# Altium PCB PCB1.PcbDoc (part 2 of 3) (continued)
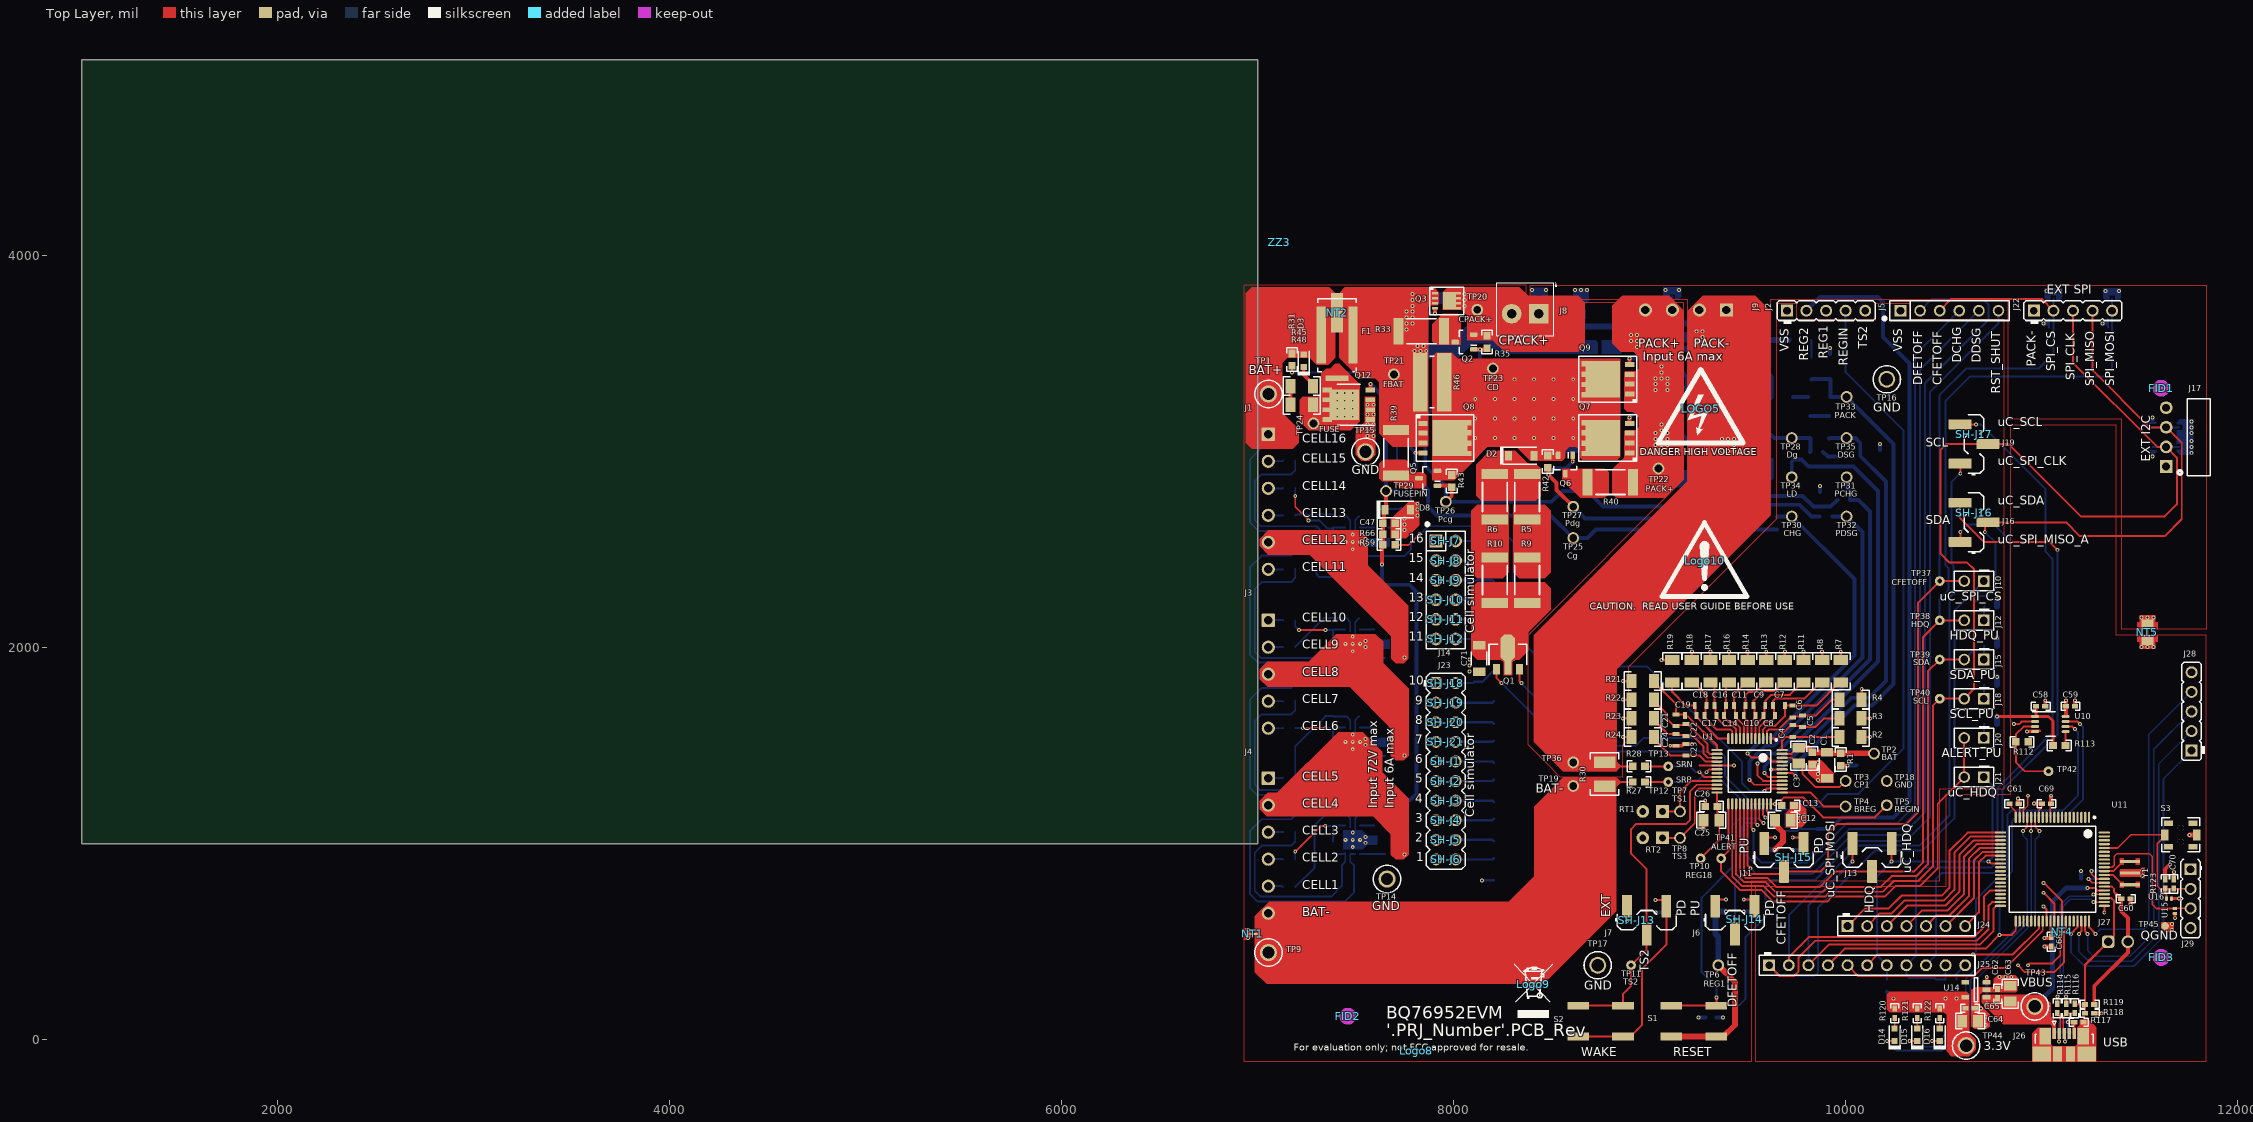
[diagram p0: Top Layer view]
## Nets (pads, with @x,y where several pads share a name; then routed paths per layer and width w, separated by ;. In a path a pad name is that pad's centre, name@x,y a point inside that pad or via, vN(x,y) a via of type N, cw(c..) or ccw(c..) an arc to the next point about the centre after c; other vN are vias at no path point) (continued)
  Bottom Layer w10: J1.6@7053.94,2400.51 7127.99,2400.51 R49.1@7128.5,2400
12P: C32.1 C39.1 J1.5 J14.9 R8.1 R38.1 R41.1 R47.1 U2.7 U2.9 | length 3468
  Top Layer w12: R8.1@9880,1937.09 v1(9880,1980)
  Mid-Layer 2 w10: J1.5@7053.94,2538.31 7342.24,2250 7633.9,2250 7738.9,2145 J14.9@7910,2145 7960,2095 8060,2095 8200,2235 9625,2235 v1(9880,1980)
  Bottom Layer w10: J1.5@7053.94,2538.31 7126.81,2538.31 R47.1@7128.5,2540 ; U2.9@7485,2540 7497.8,2552.8 U2.7@7497.8,2612.83 7497.8,2651.3 C39.1@7516.5,2670
  Bottom Layer w20: R41.1@7716.5,1950 v1(7750,1950)
  other v1: 7550,2525 7550,2555
13P: J1.4 J14.7 R7.1 R37.1 | length 3385.3
  Top Layer w12: R7.1@9975,1937.09 v1(9975,1980)
  Mid-Layer 2 w10: J1.4@7053.94,2676.1 7430.04,2300 7665,2300 7720,2245 J14.7@7910,2245 7960,2195 8080,2195 8150,2265 9690,2265 v1(9975,1980)
  Bottom Layer w10: J1.4@7053.94,2676.1 7127.4,2676.1 R37.1@7128.5,2675
14P: J1.3 J14.5 R4.1 R36.1 | length 3714.5
  Top Layer w12: R4.1@10082.09,1735 v1(10082.09,1790)
  Mid-Layer 2 w10: J1.3@7053.94,2813.9 7150,2717.83 7150,2660 7465,2345 J14.5@7910,2345 7960,2295 9745,2295 10082.09,1957.91 v1(10082.09,1790)
  Bottom Layer w10: J1.3@7053.94,2813.9 7127.4,2813.9 R36.1@7128.5,2815
15P: J1.2 J14.3 R3.1 R34.1 | length 3950.9
  Top Layer w12: R3.1@10082.09,1640 v1(10125,1640)
  Mid-Layer 2 w10: J1.2@7053.94,2951.69 7165.63,2840 7349.21,2840 7638.5,2550.71 7638.5,2496.5 7690,2445 J14.3@7910,2445 7960,2395 8085,2395 8155,2325 9757.43,2325 10125,1957.43 v1(10125,1640)
  Bottom Layer w10: J1.2@7053.94,2951.69 7125.2,2951.69 R34.1@7128.5,2955
16P: D1.2 D3.2 F1.1 J1.1 J14.1 NT2.2 R2.1 R31.1 R32.1 TP1.1 | length 4204.5
  Top Layer w12: R2.1@10082.09,1545 v1(10125,1545)
  Mid-Layer 2 w10: J1.1@7053.94,3089.49 7248.43,2895 7375,2895 7725,2545 J14.1@7910,2545 7960,2495 8085.32,2495 8225.32,2355 9769.85,2355 10165,1959.85 10165,1585 v1(10125,1545)
  Bottom Layer w10: J1.1@7053.94,3089.49 7127.99,3089.49 R32.1@7128.5,3090 ; D1.2@10055,1529.47 10109.47,1529.47 v1(10125,1545)
ALERT: J20.2 J21.2 TP41.1 U1.25 | length 2319.4
  Top Layer w10: U1.25@9401.73,1203.66 9401.73,961.73 TP41.1@9365,925 9365,860 9460,765 9570,765 9630,705 9905,705 9930,730 10200,730 10255,785 10380,785 10470,875 10470,1205 J21.2@10605,1340 J20.2@10605,1540
BAT-: J4.6 NT1.2 R24.1 R27.1 R30.2 R108.1 TP9.1 TP19.1 | length 2480.1
  Top Layer w10: 8840,1315 R27.1@8913.5,1315
  Top Layer w12: v1(8865,1545) R24.1@8907.91,1545
  Mid-Layer 2 w10: J4.6@7053.94,645.51 7655.51,645.51 7822.91,812.91 v1(8145,812.91) 8337.91,812.91 8770,1245 8770,1450 v1(8865,1545)
  Bottom Layer w12: v1(8145,812.91) R108.1@8205,812.91
BREG: Q1.1 TP4.1 U1.37 | length 2510.2
  Top Layer w10: Q1.1@8217.6,1890.2 8217.6,1847.4 v1(8245,1820) ; U1.37@9676.34,1261.73 9818.27,1261.73 9890,1190 TP4.1@10000,1190
  Bottom Layer w10: v1(8245,1820) 8595,1470 9300,1470 9355,1415 9355,1335 9515,1175 9775,1175 9790,1190 TP4.1@10000,1190
CD: D2.2 Q5.2 Q6.2 Q7.5 Q7.6 Q7.7 Q7.8 Q7.9 Q8.5 Q8.6 Q8.7 Q8.8 Q8.9 Q9.5 Q9.6 Q9.7 Q9.8 Q9.9 R42.1 R43.1 R46.2 TP23.1
  other v1: 8110,3070 8210,3070 8310,3070 8410,3070 8510,3070 8610,3070 8110,3170 8210,3170 8310,3170 8410,3170 8510,3170 8610,3170 8110,3270 8210,3270 8310,3270 8410,3270 8510,3270 8610,3270 8210,3370 8310,3370 8410,3370 8510,3370 8610,3370
CFETOFF: E3.1 J5.3 J10.2 J11.2 J22.2 TP37.1 U1.29 U6.1 | length 5338.2
  Top Layer w10: U1.29@9480.47,1203.66 9480.47,864.53 9500,845 9670.87,845 J11.2@9685,859.14 9874.14,859.14 9910,895 9910,1055 9955,1100 10310,1100 10370,1160 10370,2230 TP37.1@10480,2340 J10.2@10605,2340 ; J5.3@10480,3720 10540,3780 11000,3780 J22.2@11060,3720
  Bottom Layer w10: TP37.1@10480,2340 10480,3290 10615,3425 10985,3425 11059.8,3499.8 U6.1@11059.8,3655 11059.8,3719.8 J22.2@11060,3720 E3.1@11060,3780
CHG: R61.1 TP30.1 U1.45 | length 1864.3
  Top Layer w10: v1(9500,1460) 9520,1440 9604.21,1440 9625,1419.21 U1.45@9676.34,1419.21
  Bottom Layer w20: v1(9500,1460) 9580,1540 9625,1540 10045,1960 10045,2350 TP30.1@9725,2670 9653.5,2670 R61.1@9650,2666.5
CPACK+: C30.1 C34.1 E1.1 J8.1 J8.2 Q2.2 Q3.5 Q3.6 Q3.7 Q3.8 Q3.9 R35.1 R71.1 TP20.1 | length 2629
  Bottom Layer w30: 8559,3640 8526,3673 8559,3640 ; 8559,3640 8965,3640 ; 8559,3640 8965,3640 ; 8965,3640 9080,3525 ; 8965,3640 9080,3525 ; 9080,3525 9195,3525 ; 9080,3525 9195,3525 ; 9195,3525 9275,3445 ; 9195,3525 9275,3445 ; 9275,3445 9555,3445 ; 9275,3445 9555,3445 ; 9555,3445 9617.91,3382.09 ; 9555,3445 9617.91,3382.09 ; 9617.91,3382.09 R71.1@9617.91,3280 9617.91,3382.09
  other v1: 8055,3745 8055,3775 8055,3805
DCHG: J5.4 U1.31 | length 3841.2
  Top Layer w10: U1.31@9519.84,1203.66 9519.84,1080.16 v1(9530,1070)
  Bottom Layer w10: v1(9530,1070) 9530,945 9570,905 9805,905 10005,1105 10262.43,1105 10355,1197.57 10355,3495 J5.4@10580,3720
DDSG: J5.5 U1.32 | length 4066
  Top Layer w10: U1.32@9539.53,1203.66 9539.53,1105.47 v1(9550,1095)
  Bottom Layer w10: v1(9550,1095) 9540,1105 9485,1105 9470,1090 9470,965.28 9560.28,875 9817.43,875 10017.43,1075 10274.85,1075 10380,1180.15 10380,3420 J5.5@10680,3720
DFETOFF: J5.2 J6.2 U1.30 | length 4848.6
  Top Layer w10: J6.2@9435,539.14 v1(9435,615) ; U1.30@9500.16,1203.66 9500.16,889.84 v1(9515,875)
  Bottom Layer w10: v1(9435,615) 9435,795 v1(9515,875) 9545,845 9830,845 10030,1045 10290,1045 10405,1160 10405,3350 10730,3675 10730,3750 10700,3780 10440,3780 J5.2@10380,3720
DM: R114.2 U11.64 | length 756.7
  Top Layer w7: R114.2@11080,183.62 v1(11080,220) ; v1(11265,742.05) U11.64@11319.76,742.05
  Bottom Layer w7: v1(11080,220) 11095,235 11095,686.21 11139.79,731 11253.95,731 v1(11265,742.05)
DP: R115.2 U11.62 | length 732.8
  Top Layer w7: R115.2@11125,183.62 v1(11125,220) ; v1(11265,702.68) U11.62@11319.76,702.68
  Bottom Layer w7: v1(11125,220) 11110,235 11110,680 11146,716 11251.68,716 v1(11265,702.68)
DSG: D9.1 D10.1 R68.1 TP35.1 U1.43 | length 2267.9
  Top Layer w10: v1(9620,1379.84) U1.43@9676.34,1379.84
  Bottom Layer w20: v1(9620,1379.84) 9665,1379.84 10030.16,1745 10120,1745 10205,1830 10205,2848 10074.47,2978.53 10074.47,3045.53 10050,3070 TP35.1@10005,3070 9917.09,3070 R68.1@9915,3067.91
EXTTS2: J2.5 J7.1 | length 5236.3
  Top Layer w10: v1(8885.01,605.01) J7.1@8885,680.87
  Mid-Layer 2 w10: v1(8885.01,605.01) 8985.02,505 9410,505 9600,695 10235,695 10815,1275 10815,3225 10400,3640 10180,3640 J2.5@10100,3720
FBAT: C29.2 C37.2 D4.2 F1.3 NT2.1 Q3.1 Q3.2 Q3.3 Q8.1 Q8.2 Q8.3 R33.1 R39.1 R46.1 R50.1 TP21.1
  other v1: 7800,3515 7830,3515 7860,3515 7815,3540 7845,3540 7760,3625 7760,3655 7790,3655 7760,3685 7790,3685 7760,3715 7790,3715 7790,3745 7790,3775 7790,3805
FUSE: R59.2 U1.38 | length 2915.5
  Top Layer w10: R59.2@7701.5,2525 7770,2525 v1(7825,2580) ; v1(9585,1270) 9596.42,1281.42 U1.38@9676.34,1281.42
  Bottom Layer w10: v1(7825,2580) 7830,2580 7870,2620 8225.94,2620 8305,2540.94 8305,2075 8475,1905 8985,1905 9470,1420 9470,1310 9510,1270 v1(9585,1270)
HDQ: E5.1 J12.2 J13.2 J22.5 TP38.1 U1.28 U8.1 | length 5179.6
  Top Layer w10: U1.28@9460.79,1203.66 9460.79,854.21 9489.49,825.51 9599.49,825.51 9645,780 9870,780 9949.13,859.13 J13.2@10135,859.13 10349.13,859.13 10395,905 10395,2055 TP38.1@10480,2140 J12.2@10605,2140
  Bottom Layer w10: TP38.1@10480,2140 10480,2250 10525,2295 10525,2405 10510,2420 10510,3260 10635,3385 11320,3385 11359.8,3424.8 U8.1@11359.8,3655 11359.8,3719.8 J22.5@11360,3720 E5.1@11360,3780
LD: D12.1 R76.2 TP34.1 U1.41 | length 2395.2
  Top Layer w10: v1(9585,1360) 9604.53,1340.47 U1.41@9676.34,1340.47
  Bottom Layer w20: v1(9585,1360) 9585,1395 9610,1420 9655,1420 10165,1930 10165,2800 10040,2925 9810,2925 9775,2960 R76.2@9737.09,2960 9725,2947.91 TP34.1@9725,2870
LED1: D14.1 U11.15 | length 1746.4
  Top Layer w8: v1(10210,-6.5) D14.1@10250,-6.5 ; U11.15@10966.42,1134.76 10966.42,1087.05 v1(10988.46,1065)
  Bottom Layer w8: v1(10210,-6.5) 10258.5,-55 10491.56,-55 10660,113.44 10660,302 10967,609 10967,1020 10988.46,1041.46 v1(10988.46,1065)
LED2: D15.1 U11.16 | length 1568
  Top Layer w8: v1(10325,-6.5) D15.1@10365,-6.5 ; v1(10946.73,1065) U11.16@10946.73,1134.76
  Bottom Layer w8: v1(10325,-6.5) 10353.5,-35 10476.56,-35 10637.28,125.73 10637.28,307.57 10947,617.28 v1@10947,1065
LED3: D16.1 U11.17 | length 1420.9
  Top Layer w8: v1(10440,-6.5) D16.1@10480,-6.5 ; v1(10905,1065) 10927.05,1087.05 U11.17@10927.05,1134.76
  Bottom Layer w8: v1(10440,-6.5) 10473.5,-6.5 10612.28,132.28 10612.28,310.85 10927,625.57 10927,1020 10905,1042 v1(10905,1065)
NetC1_1: C1.1 C2.1 C3.1 R1.1 TP2.1 U1.47 | length 494.5
  Top Layer w10: U1.47@9676.34,1458.58 9723.58,1458.58 9755,1490 C3.1@9760,1490
  Top Layer w30: C3.1@9760,1490 9806.5,1490 C2.1@9830,1466.5 9904.57,1466.5 C1.1@9905,1466.93 9910.43,1461.5 R1.1@9975,1461.5 10143.5,1461.5 TP2.1@10145,1460
NetC3_2: C3.2 TP3.1 U1.46 | length 418.3
  Top Layer w10: U1.46@9676.34,1438.9 9724.1,1438.9 9753,1410 C3.2@9760,1410 9780,1390 9780,1355 9845,1290 9970,1290 TP3.1@10000,1320
NetC25_2: C25.2 C26.1 TP10.1 U1.24 | length 380.8
  Top Layer w10: TP10.1@9260,925 9355,1020 C25.2@9355,1120 9346.5,1128.5 C26.1@9346.5,1190 9343.66,1192.83 U1.24@9343.66,1261.73
NetC29_1: C29.1 C30.2
NetC31_1: C31.1 C33.2 R34.2 U2.4 | length 1150.2
  Bottom Layer w10: R34.2@7191.5,2955 7191.5,2906.5 7170,2885 7020,2885 6985,2850 6985,2650 7015,2620 7300,2620 7330,2590 7330,2485 7346.5,2468.5 C33.2@7385,2468.5 ; C33.2@7385,2467.17 U2.4@7446.61,2467.17 ; C31.1@7428.5,2410 7446.61,2428.11 U2.4@7446.61,2467.17 ; U2.4@7446.61,2476 U2.4@7446.61,2467.17
NetC31_2: C31.2 R32.2 U2.2 U2.3 | length 1527.9
  Bottom Layer w10: R32.2@7191.5,3090 7191.5,3041.5 7170,3020 7020,3020 6960,2960 6960,2640 7005,2595 7280,2595 7300,2575 7300,2375 7315,2360 7475,2360 7491.5,2376.5 C31.2@7491.5,2410 7472.2,2429.29 U2.3@7472.2,2467.17 ; U2.3@7473,2467.17 U2.2@7497,2467.17
NetC32_2: C32.2 R31.2 U2.1 | length 1705.9
  Top Layer w10: v1(7175,3405) R31.2@7175,3438.5
  Bottom Layer w10: v1(7175,3405) 7590,3405 7710,3285 7710,2900 7783,2827 7783,2503 7747.17,2467.17 U2.1@7522.4,2467.17
NetC33_1: C33.1 C35.2 R36.2 U2.5 | length 474.2
  Top Layer w10: v1(7191.5,2775) 7191.5,2718.5 v1(7260,2650)
  Bottom Layer w10: v1(7191.5,2775) R36.2@7191.5,2815 ; v1(7260,2650) 7315,2650 7356.5,2608.5 C35.2@7385,2608.5 C33.1@7385,2531.5 ; C35.2@7385,2612.83 U2.5@7446.61,2612.83
NetC34_2: C34.2 C36.1
NetC35_1: C35.1 C39.2 R37.2 U2.6 | length 342
  Bottom Layer w10: R37.2@7191.5,2675 7196.5,2680 7376.5,2680 C35.1@7385,2671.5 7386.5,2670 C39.2@7453.5,2670 7472.2,2651.3 U2.6@7472.2,2604
NetC37_1: C37.1 C38.2
NetC40_1: C40.1 C43.2 R49.2 U3.4 | length 1146.6
  Bottom Layer w10: R49.2@7191.5,2405 7191.5,2356.5 7170,2335 7020,2335 6985,2300 6985,1980 7016.5,1948.5 C43.2@7385,1948.5 ; C43.2@7385,1947.17 U3.4@7446.61,1947.17 ; C40.1@7428.5,1890 7446.61,1908.11 U3.4@7446.61,1947.17 ; U3.4@7446.61,1956 U3.4@7446.61,1947.17
NetC40_2: C40.2 R47.2 U3.2 U3.3 | length 1471.5
  Bottom Layer w10: R47.2@7191.5,2540 7191.5,2491.5 7170,2470 7020,2470 6960,2410 6960,1965 7000,1925 7230,1925 7315,1840 7475,1840 7491.5,1856.5 C40.2@7491.5,1890 7472.2,1909.29 U3.3@7472.2,1947.17 ; U3.3@7473,1947.17 U3.2@7497,1947.17
NetC41_2: C41.2 R41.2 U3.1 | length 128.2
  Bottom Layer w10: U3.1@7522.4,1947.17 R41.2@7650.57,1947.17
NetC42_2: C42.2 C45.1
NetC43_1: C43.1 C44.2 R53.2 U3.5 | length 371.9
  Top Layer w10: v1(7210,2090) v1(7345,2090)
  Bottom Layer w10: R53.2@7191.5,2140 7191.5,2108.5 v1(7210,2090) ; v1(7345,2090) 7383.5,2090 C44.2@7385,2088.5 C43.1@7385,2011.5 ; C44.2@7385,2092.83 U3.5@7446.61,2092.83
NetC44_1: C44.1 C46.2 R54.2 U3.6 | length 397.1
  Bottom Layer w10: R54.2@7191.5,2005 7337.99,2151.5 C44.1@7385,2151.5 7386.5,2150 C46.2@7453.5,2150 7472.2,2131.3 U3.6@7472.2,2084
NetC47_2: C47.2 D8.1 D13.3 Q12.4 R44.2 R59.1 R60.2 R66.2 R80.2 TP29.1 | length 2585.5
  Top Layer w20: Q12.4@7574.5,3315 v1(7574.5,3345) ; v1(7635,2425) 7635,2521.5 R59.1@7638.5,2525 R66.2@7638.5,2580 C47.2@7638.5,2635 7645,2641.5 7645,2699.47 D8.1@7650.53,2705 7655,2709.47 TP29.1@7655,2800
  Bottom Layer w20: v1(7574.5,3345) 7655,3264.5 TP29.1@7655,2800 7706.5,2800 R44.2@7730,2776.5 ; v1(7635,2425) R60.2@7635,2321.5 7773.5,2321.5 7810,2285 7810,1255 7777.4,1222.4 D13.3@7638,1222.4
NetC48_1: C48.1 C50.2 R72.2 U4.4 | length 1290.7
  Bottom Layer w10: R72.2@7191.5,1730 7191.5,1681.5 7170,1660 7020,1660 6985,1625 6985,1300 7010,1275 7400,1275 7428.5,1303.5 C48.1@7428.5,1390 7446.61,1408.11 U4.4@7446.61,1447.17 ; C50.2@7385,1447.17 U4.4@7446.61,1447.17 ; U4.4@7446.61,1456 U4.4@7446.61,1447.17
NetC48_2: C48.2 R69.2 U4.2 U4.3 | length 1511.7
  Bottom Layer w10: R69.2@7191.5,1865 7191.5,1816.5 7170,1795 7020,1795 6960,1735 6960,1285 6995,1250 7445,1250 7491.5,1296.5 C48.2@7491.5,1390 7472.2,1409.29 U4.3@7472.2,1447.17 ; U4.3@7473,1447.17 U4.2@7497,1447.17
NetC49_2: C49.2 R67.2 U4.1 | length 128.2
  Bottom Layer w10: U4.1@7522.4,1447.17 R67.2@7650.57,1447.17
NetC50_1: C50.1 C51.2 R75.2 U4.5 | length 332.7
  Top Layer w10: v1(7231.5,1590) v1(7345,1590)
  Bottom Layer w10: R75.2@7191.5,1590 v1(7231.5,1590) ; v1(7345,1590) 7383.5,1590 C51.2@7385,1588.5 C50.1@7385,1511.5 ; C51.2@7385,1592.83 U4.5@7446.61,1592.83
NetC51_1: C51.1 C52.2 R78.2 U4.6 | length 562.1
  Bottom Layer w10: R78.2@7191.5,1335 7191.5,1496.5 7346.5,1651.5 C51.1@7385,1651.5 7386.5,1650 C52.2@7453.5,1650 7472.2,1631.3 U4.6@7472.2,1584
NetC53_1: C53.1 C55.2 R84.2 U5.4 | length 1193.1
  Bottom Layer w10: R84.2@7191.5,1060 7191.5,1011.5 7170,990 7020,990 6985,955 6985,760 7015,730 7375,730 7430,785 7430,891.5 7446.61,908.11 U5.4@7446.61,947.17 ; C55.2@7385,947.17 U5.4@7446.61,947.17 ; U5.4@7446.61,956 U5.4@7446.61,947.17
NetC53_2: C53.2 R83.2 U5.2 U5.3 | length 1428.7
  Bottom Layer w10: R83.2@7191.5,1195 7191.5,1146.5 7170,1125 7020,1125 6960,1065 6960,745 7000,705 7445,705 7491.5,751.5 C53.2@7491.5,890 7472.2,909.29 U5.3@7472.2,947.17 ; U5.3@7473,947.17 U5.2@7497,947.17
NetC54_2: C54.2 R81.2 U5.1 | length 128.2
  Bottom Layer w10: U5.1@7522.4,947.17 R81.2@7650.57,947.17
NetC55_1: C55.1 C56.2 R85.2 U5.5 | length 426.6
  Top Layer w10: v1(7191.5,960) 7321.5,1090 v1(7345,1090)
  Bottom Layer w10: R85.2@7191.5,920 v1(7191.5,960) ; v1(7345,1090) 7383.5,1090 C56.2@7385,1088.5 C55.1@7385,1011.5 ; C56.2@7385,1092.83 U5.5@7446.61,1092.83
NetC56_1: C56.1 C57.2 R86.2 U5.6 | length 617.1
  Bottom Layer w10: R86.2@7191.5,780 7290,878.5 7290,1095 7346.5,1151.5 C56.1@7385,1151.5 7386.5,1150 C57.2@7453.5,1150 7472.2,1131.3 U5.6@7472.2,1084
NetC61_1: C61.1 U11.20 | length 83.3
  Top Layer w8: C61.1@10836.38,1205 10845,1196.38 10845,1188.15 10867.99,1165.16 U11.20@10867.99,1134.76
NetC67_1: C67.1 U11.67 | length 129.1
  Top Layer w10: v1(11240,820) 11258.9,801.1 U11.67@11319.76,801.1
  Bottom Layer w10: v1(11240,820) 11276.38,820 C67.1@11280,816.38
NetC71_1: C71.1 Q1.2 Q1.4 R9.1 R10.1
NetD1_1: D1.1 R1.2 | length 80.8
  Top Layer w20: R1.2@9975,1398.5 v1(10010,1398.5)
  Bottom Layer w20: v1(10010,1398.5) 10052.97,1398.5 D1.1@10055,1400.53
NetD2_1: D2.1 R5.2 R6.2
NetD3_1: D3.1 R45.2 | length 118
  Top Layer w20: D3.1@7235,3433.5 7235,3392.91 7282.09,3345.83 R45.2@7282.09,3335
NetD4_1: D4.1 Q3.4 Q8.4 R50.2 R61.2 TP25.1 | length 3077.7
  Top Layer w20: v1(7805,2995) Q8.4@7843.78,2995 ; v1(7904.47,3705.53) Q3.4@7904.47,3728
  Bottom Layer w20: v1(7904.47,3705.53) 7870,3705.53 7861.5,3697.03 R50.2@7861.5,3625 7861.5,3591.5 7850,3580 7780,3580 7760,3560 7760,3040 v1(7805,2995) 7805,2870.35 7870,2805.35 7870,2720 7915,2675 8495,2675 TP25.1@8610,2560 8683.5,2560 8727.01,2603.5 R61.2@9650,2603.5
NetD5_1: D5.1 Q10.3 R51.2 R55.2 R56.2 R64.2 R65.2 TP28.1 | length 1333.7
  Bottom Layer w20: R55.2@9031.5,3195 9031.5,3251.5 9052.4,3272.4 Q10.3@9125,3272.4 9189.47,3336.87 D5.1@9189.47,3340 ; R56.2@9031.5,3480 9140,3480 9156.5,3463.5 R51.2@9156.5,3415 9189.47,3382.03 D5.1@9189.47,3340 ; R65.2@9818.5,3000 9820,3001.5 R64.2@9820,3067.91 9817.91,3070 TP28.1@9725,3070 9635,3070 9365,3340 D5.1@9189.47,3340
NetD6_1: D6.1 Q10.1 R52.2 R57.1 | length 283.7
  Bottom Layer w20: Q10.1@9150.59,3205 9150.59,3145.91 R52.2@9156.5,3140 9156.5,3097.98 D6.1@9189.47,3065 9309.99,3065 R57.1@9315,3070.02
NetD7_1: D7.1 R57.2 | length 88
  Bottom Layer w20: R57.2@9315,3133.01 9358.54,3133.01 D7.1@9390,3164.47
NetD9_2: D9.2 R65.1 | length 74.4
  Bottom Layer w20: R65.1@9884.43,3000 9909.43,2975 D9.2@9948.46,2975
NetD13_1: D13.1 R82.2 | length 54.3
  Bottom Layer w10: R82.2@7656.5,1095 7660.59,1099.09 D13.1@7660.59,1147.6
NetD14_2: D14.2 R120.1 | length 54.9
  Top Layer w8: D14.2@10250,56.5 R120.1@10250,111.38
NetD15_2: D15.2 R121.1 | length 54.9
  Top Layer w8: D15.2@10365,56.5 R121.1@10365,111.38
NetD16_2: D16.2 R122.1 | length 54.9
  Top Layer w8: D16.2@10480,56.5 R122.1@10480,111.38
NetF1_2: F1.2 Q12.5 Q12.6 Q12.7 Q12.8 Q12.9 R48.1 TP24.1
  other v2: 7405,3180 7445,3180 7485,3180 7405,3220 7445,3220 7485,3220 7405,3260 7445,3260 7485,3260 7405,3300 7445,3300 7485,3300
NetJ2_4: J2.4 R15.2 | length 3027.5
  Bottom Layer w10: R15.2@9736.5,1215 9870,1215 9910,1255 10065,1255 10295,1485 10295,3110 10000,3405 J2.4@10000,3720
NetJ6_1: J6.1 R25.2 | length 112.1
  Top Layer w10: J6.1@9335.01,711.51 9340,716.5 v1(9390,716.5)
  Bottom Layer w10: R25.2@9335,716.5 v1(9390,716.5)
NetJ6_3: J6.3 R26.2 | length 112.1
  Top Layer w10: v1(9480.01,716.5) 9530.01,716.5 J6.3@9535.01,711.51
  Bottom Layer w10: v1(9480.01,716.5) R26.2@9535.01,716.5
NetJ7_3: J7.3 R29.2 S2.1 S2.2 | length 1128.2
  Top Layer w10: S2.2@8635.83,16.26 S2.1@8864.17,16.26 8901.26,16.26 8960,75 8960,360 9085,485 J7.3@9085,690.87 ; v1(9030.01,712.37) 9080.01,712.37 J7.3@9085,707.37
  Bottom Layer w10: v1(9030.01,712.37) R29.2@9085,712.37
NetJ11_1: J11.1 R89.2 | length 138.6
  Top Layer w10: J11.1@9585,1000.87 9585,1027.37 9590,1032.37 v1(9640,1032.37)
  Bottom Layer w10: R89.2@9585,1032.37 v1(9640,1032.37)
NetJ11_3: J11.3 R91.2 | length 112.1
  Top Layer w10: v1(9730.01,1032.37) 9780.01,1032.37 J11.3@9785,1027.37
  Bottom Layer w10: v1(9730.01,1032.37) R91.2@9785,1032.37
NetJ12_1: J12.1 R92.2 | length 71.5
  Bottom Layer w10: J12.1@10705,2140 10705,2206.5 R92.2@10708.5,2210
NetJ14_2: J14.2 R87.2 | length 97.9
  Bottom Layer w12: J14.2@8010,2545 8097.91,2545 R87.2@8105,2552.09
NetJ14_4: J14.4 R87.1 R88.2 | length 197.9
  Bottom Layer w12: J14.4@8010,2445 8197.91,2445 R88.2@8205,2452.09
NetJ14_6: J14.6 R88.1 R90.2 | length 197.9
  Bottom Layer w12: J14.6@8010,2345 8197.91,2345 R88.1@8205,2337.91
NetJ14_8: J14.8 R90.1 R93.2 | length 197.9
  Bottom Layer w12: J14.8@8010,2245 8197.91,2245 R93.2@8205,2252.09
NetJ14_10: J14.10 R93.1 R95.2 | length 197.9
  Bottom Layer w12: J14.10@8010,2145 8197.91,2145 R93.1@8205,2137.91
NetJ14_12: J14.12 R95.1 R96.2 | length 216.9
  Bottom Layer w12: J14.12@8010,2045 8097.91,2045 R95.1@8105,2037.91 8147.09,2037.91 8192.91,1992.09 R96.2@8205,1992.09
NetJ15_1: J15.1 R94.2 | length 71.5
  Bottom Layer w10: J15.1@10705,1940 10705,2006.5 R94.2@10708.5,2010
NetJ18_1: J18.1 R97.2 | length 71.5
  Bottom Layer w10: J18.1@10705,1740 10705,1806.5 R97.2@10708.5,1810
NetJ20_1: J20.1 R99.2 | length 71.5
  Bottom Layer w10: J20.1@10705,1540 10705,1606.5 R99.2@10708.5,1610
NetJ23_2: J23.2 R96.1 R98.2 | length 219
  Bottom Layer w12: J23.2@8010,1820 8097.91,1820 R98.2@8105,1827.09 8147.09,1827.09 8197.91,1877.91 R96.1@8205,1877.91
NetJ23_4: J23.4 R98.1 R100.2 | length 197.9
  Bottom Layer w12: J23.4@8010,1720 8197.91,1720 R100.2@8205,1727.09
NetJ23_6: J23.6 R100.1 R101.2 | length 197.9
  Bottom Layer w12: J23.6@8010,1620 8197.91,1620 R100.1@8205,1612.91
NetJ23_8: J23.8 R101.1 R102.2 | length 197.9
  Bottom Layer w12: J23.8@8010,1520 8197.91,1520 R102.2@8205,1527.09
NetJ23_10: J23.10 R102.1 R103.2 | length 197.9
  Bottom Layer w12: J23.10@8010,1420 8197.91,1420 R102.1@8205,1412.91
NetJ23_12: J23.12 R103.1 R104.2 | length 197.9
  Bottom Layer w12: J23.12@8010,1320 8197.91,1320 R104.2@8205,1327.09
NetJ23_14: J23.14 R104.1 R105.2 | length 197.9
  Bottom Layer w12: J23.14@8010,1220 8197.91,1220 R104.1@8205,1212.91
NetJ23_16: J23.16 R105.1 R106.2 | length 197.9
  Bottom Layer w12: J23.16@8010,1120 8197.91,1120 R106.2@8205,1127.09
NetJ23_18: J23.18 R106.1 R107.2 | length 197.9
  Bottom Layer w12: J23.18@8010,1020 8197.91,1020 R106.1@8205,1012.91
NetJ23_20: J23.20 R107.1 R108.2 | length 197.9
  Bottom Layer w12: J23.20@8010,920 8197.91,920 R108.2@8205,927.09
NetJ24_1: J24.1 U11.21 | length 1089.1
  Top Layer w10: J24.1@10010,580 10100,670 10220,670 10285,735 10490,735 10530,775 10530,965 10622.01,1057.01 U11.21@10790.24,1057.01
NetJ24_2: J24.2 U11.22 | length 981
  Top Layer w10: J24.2@10110,580 10175,645 10235,645 10300,710 10500,710 10555,765 10555,955 10637.32,1037.32 U11.22@10790.24,1037.32
NetJ24_3: J24.3 U11.23 | length 872.8
  Top Layer w10: J24.3@10210,580 10315,685 10510,685 10580,755 10580,945 10652.64,1017.64 U11.23@10790.24,1017.64
NetJ24_4: J24.4 U11.24 | length 764.7
  Top Layer w10: J24.4@10310,580 10390,660 10520,660 10605,745 10605,935 10667.95,997.95 U11.24@10790.24,997.95
NetJ24_5: J24.5 U11.25 | length 656.5
  Top Layer w10: J24.5@10410,580 10465,635 10530,635 10630,735 10630,925 10683.27,978.27 U11.25@10790.24,978.27
NetJ24_6: J24.6 U11.26 | length 548.3
  Top Layer w10: J24.6@10510,580 10655,725 10655,915 10698.58,958.58 U11.26@10790.24,958.58
NetJ24_7: J24.7 U11.27 | length 478.3
  Top Layer w10: J24.7@10610,580 10680,650 10680,905 10713.9,938.9 U11.27@10790.24,938.9
NetJ26_2: J26.2 R114.1 U12.1 | length 180.7
  Top Layer w7: R114.1@11080,136.38 11080,131 11094,117 11094,36.4 J26.2@11089.41,31.81 ; v1(11088,-9.22) J26.2@11088,32
  Bottom Layer w7: v1(11088,-9.22) 11088,15.2 U12.1@11090,17.2
NetJ26_3: J26.3 R115.1 R116.2 U13.1 | length 232.1
  Top Layer w7: J26.3@11115,31.81 11110,36.81 11110,117 11125,132 R115.1@11125,136.38 R116.2@11170,136.38 ; v1(11119,-9.22) J26.3@11119,32
  Bottom Layer w7: v1(11119,-9.22) 11135,6.78 U13.1@11135,17.2
NetJ26_6: J26.6 J26.7 J26.8 J26.9 J26.10 J26.11 R117.2
NetJ28_1: J28.1 U11.57 | length 1745.5
  Top Layer w10: v1(11149.96,540) 11182.95,572.99 U11.57@11182.95,605.24
  Bottom Layer w8: v1(11149.96,540) 11149.96,445.04 11220,375 11470.71,375 11621.88,526.16 11621.88,1331.88 J28.1@11765,1475
NetJ28_2: J28.2 U11.58 | length 1752.8
  Top Layer w10: v1(11189.96,540) 11202.64,552.68 U11.58@11202.64,605.24
  Bottom Layer w8: v1(11189.96,540) 11189.96,450.04 11240,400 11460.36,400 11596.87,536.52 11596.87,1406.87 J28.2@11765,1575
NetJ28_3: J28.3 U11.59 | length 1763.4
  Top Layer w10: U11.59@11222.32,605.24 11222.32,552.68 v1(11235,540)
  Bottom Layer w8: v1(11235,540) 11235,455 11265,425 11450,425 11571.88,546.88 11571.88,1481.88 J28.3@11765,1675
NetJ28_4: J28.4 U11.60 | length 1646.8
  Top Layer w10: U11.60@11242.01,605.24 11242.01,572.99 v1(11275,540)
  Bottom Layer w8: v1(11275,540) 11299.34,564.34 11521.22,564.34 11546.88,590 11546.88,1556.88 J28.4@11765,1775
NetQ2_1: Q2.1 Q5.1 R35.2 R43.2 R62.2 TP26.1 | length 3281.6
  Top Layer w20: Q5.1@7917.24,2827.6 7980.91,2827.6 R43.2@7990,2818.5 7990,2775 TP26.1@7960,2745 ; Q2.1@8102.24,3522.6 v1(8134.49,3522.6) R35.2@8170,3522.6
  Bottom Layer w20: v1(8134.49,3522.6) 8134.49,3459.49 7855,3180 7855,2927.4 7960,2822.4 TP26.1@7960,2745 8500,2745 8555,2800 8682.09,2800 8762.09,2720 9510,2720 9565,2775 9780,2775 9835,2720 9923.5,2720 R62.2@9958.5,2755
NetQ2_3: Q2.3 R33.2
NetQ4_1: Q4.1 R38.2 | length 111.6
  Bottom Layer w10: Q4.1@7667.4,2612.76 7698.97,2612.76 7716.5,2595.23 R38.2@7716.5,2540
NetQ4_2: Q4.2 U2.8 | length 69.6
  Bottom Layer w10: U2.8@7523,2612.83 7592.52,2612.83 Q4.2@7592.6,2612.76
NetQ4_3: Q4.3 R44.1 | length 102.6
  Bottom Layer w10: Q4.3@7630,2707.24 7723.74,2707.24 R44.1@7730,2713.5
NetQ5_3: Q5.3 R39.2
NetQ6_1: Q6.1 R42.2 R63.2 TP27.1 | length 1773.6
  Top Layer w20: R42.2@8480,2918.5 8483.5,2915 v1(8483.5,2881.5) 8525,2840 8525,2805 TP27.1@8610,2720 ; v1(8607.4,2950) Q6.1@8607.4,2982.24
  Bottom Layer w20: v1(8483.5,2881.5) 8517.01,2915 8572.4,2915 v1(8607.4,2950) ; TP27.1@8610,2720 8670,2660 9530,2660 9600,2730 9765,2730 9825,2670 R63.2@9868.01,2670
NetQ6_3: Q6.3 R40.1
NetQ7_4: Q7.4 R55.1 | length 109
  Top Layer w20: Q7.4@8897.8,3145 v1(8897.8,3175)
  Bottom Layer w20: v1(8897.8,3175) 8917.8,3195 R55.1@8968.5,3195
NetQ9_4: Q9.4 R56.1 | length 102.8
  Top Layer w20: Q9.4@8897.8,3445 v1(8897.8,3475)
  Bottom Layer w20: v1(8897.8,3475) 8963.5,3475 R56.1@8968.5,3480
NetQ11_1: Q11.1 R58.2 | length 110.6
  Bottom Layer w10: Q11.1@7667.4,2092.76 7697.24,2092.76 7716.5,2073.5 R58.2@7716.5,2020
NetQ11_2: Q11.2 U3.8 | length 69.5
  Bottom Layer w10: U3.8@7523,2092.83 Q11.2@7592.52,2092.83
NetQ11_3: Q11.3 R60.1 | length 73.3
  Bottom Layer w10: Q11.3@7630,2187.24 7630,2253.5 R60.1@7635,2258.5
NetQ13_1: Q13.1 R79.2 | length 110.6
  Bottom Layer w10: Q13.1@7667.4,1592.76 7697.24,1592.76 7716.5,1573.5 R79.2@7716.5,1520
NetQ13_2: Q13.2 U4.8 | length 69.5
  Bottom Layer w10: U4.8@7523,1592.83 Q13.2@7592.52,1592.83
NetQ13_3: Q13.3 R80.1 | length 119.6
  Bottom Layer w10: Q13.3@7630,1687.24 7745.75,1687.24 R80.1@7748.5,1690
NetR5_1: R5.1 R9.2
NetR6_1: R6.1 R10.2
NetR45_1: R45.1 R48.2 | length 95
  Top Layer w20: R48.2@7167.91,3240 R45.1@7167.91,3335
NetR64_1: R64.1 R68.2 | length 95
  Bottom Layer w20: R64.1@9820,3182.09 R68.2@9915,3182.09
NetR70_1: R70.1 R71.2 | length 75.8
  Bottom Layer w20: R71.2@9732.09,3280 R70.1@9807.91,3280
NetR73_1: R73.1 R74.2 | length 89.1
  Bottom Layer w10: R74.2@9822.09,3570 9825,3567.09 R73.1@9825,3482.09
NetR76_1: R76.1 R77.2 | length 95.3
  Bottom Layer w20: R77.2@9622.09,2865 9622.91,2865.83 R76.1@9622.91,2960
NetR82_1: R82.1 U5.8 | length 69.5
  Bottom Layer w10: U5.8@7523,1092.83 R82.1@7592.52,1092.83
NetR112_2: R112.2 TP42.1 U10.3 | length 442.9
  Top Layer w10: U10.3@10967.24,1598.2 10908.2,1598.2 10868.5,1558.5 10868.5,1416.5 10915,1370 TP42.1@11035,1370
NetR113_2: R113.2 U10.5 | length 72.1
  Top Layer w10: R113.2@11121.5,1501 11122.76,1502.26 U10.5@11122.76,1572.61